# KiCad board AMC_FMC_Carrier-PcbDoc.kicad_pcb (continued)
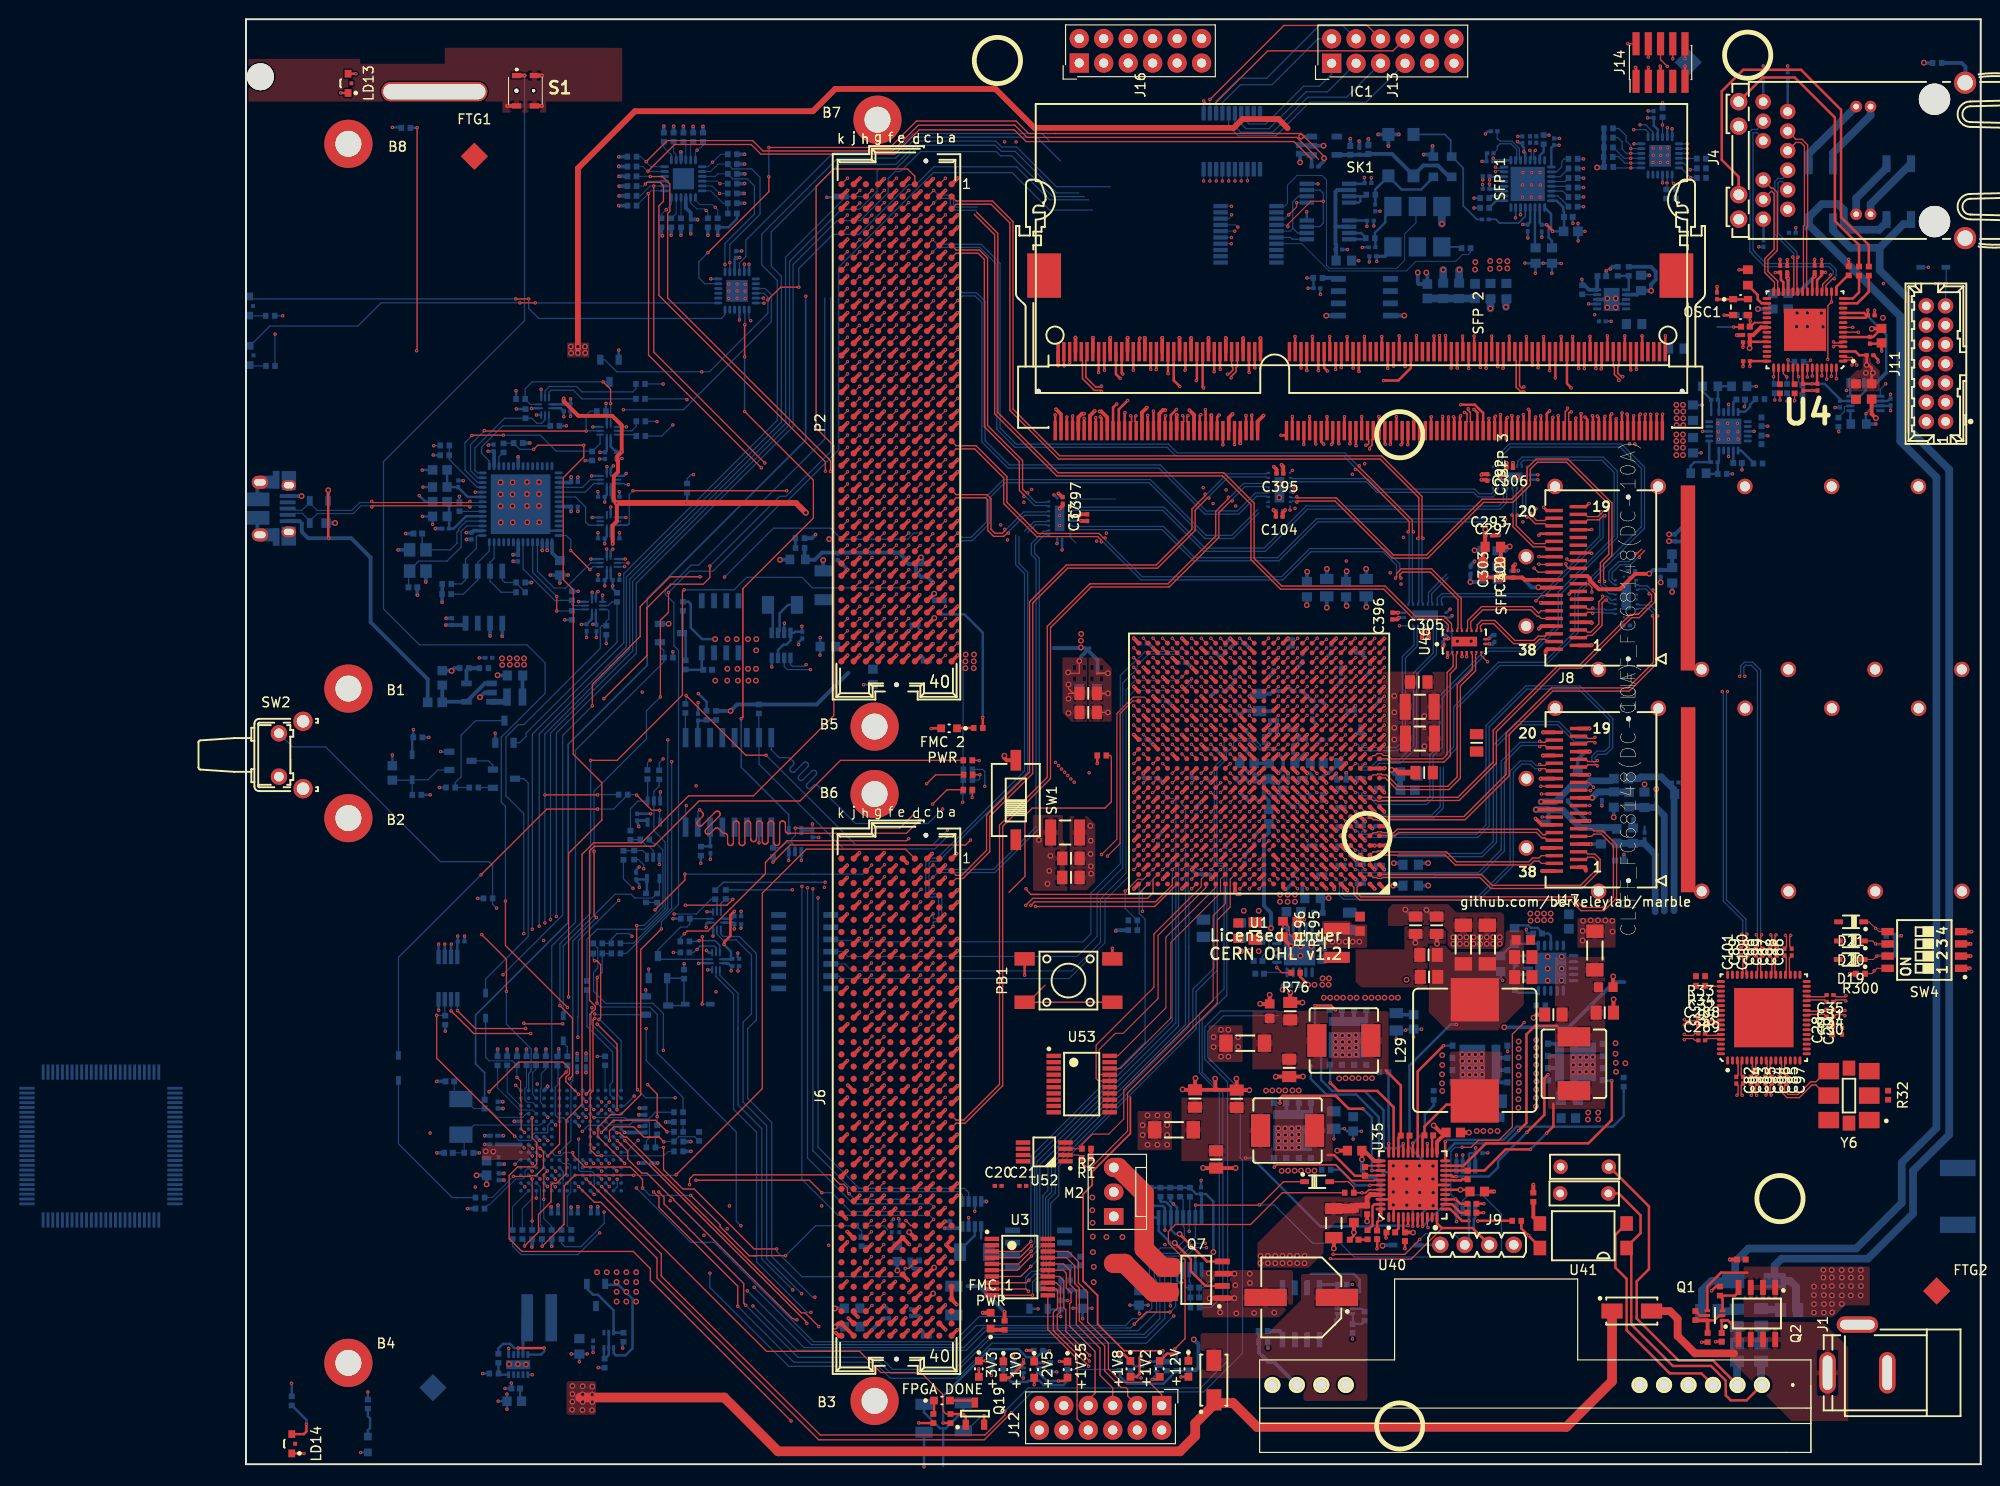
[diagram p0: board, top side]
## Routing (per net, layer and track width the routed paths; a pad name or vN(x,y) marks a point on that pad's centre or on a via; arc(x,y) is an arc through that point) (continued)
FMC1_LA_33_P: length 69.5
  Top w0.112: v1(66.2,19.03) 65.59,18.42 J6.G36
  Top w0.127: v1(109.13,60.75) 108.65,61.23 U1.B10
  In9.Cu w0.1: 73.27,17.16 74.58,18.47 74.58,34.9 85.03,45.34 97.97,45.34 102.7,50.07 104.76,50.07 107.23,52.53 107.23,53.9 108.45,55.12 108.45,56.37 109.75,57.67 109.75,60.14 109.48,60.41 109.18,60.41 109.13,60.46 v1(109.13,60.75)
FMC2_DP0_C2M_N: length 88.6
  Top w0.127: v1(71.35,130.93) 70.75,130.33 P2.C3
  Top w0.13: U46.18 125.17,86.67 125.09,86.76 125.09,87.25 124.32,88.01 121.35,88.01 118.2,91.16 107.48,91.16 104.61,94.04 104.61,99.78 101.46,102.92 84.27,102.92 78.01,109.18 78.01,127.77 75.81,129.98
  Bottom w0.13: 75.77,130.18 73.33,130.18 73.09,130.43 73.09,131.24 72.91,131.42 71.84,131.42 v1(71.35,130.93)
FMC2_DP0_C2M_P: length 88.4
  Top w0.127: P2.C2 70.72,131.6 v1(71.35,132.23)
  Top w0.13: U46.19 124.67,86.67 124.75,86.76 124.75,87.11 124.19,87.68 121.21,87.68 118.06,90.83 107.35,90.83 104.28,93.9 104.28,99.64 101.33,102.59 84.13,102.59 77.68,109.04 77.68,127.63 75.57,129.74
  Bottom w0.13: 75.91,130.51 73.47,130.51 73.42,130.56 73.42,131.38 73.05,131.75 71.84,131.75 v1(71.35,132.23)
FMC2_DP0_M2C_N: length 81.1
  Top w0.127: P2.C7 70.67,125.25 v1(71.25,125.83)
  Top w0.13: v1(115.12,103.28) 115.27,103.28 120.69,97.85 120.69,96.9 v1(120.59,96.79)
  Bottom w0.13: v1(71.25,125.83) 71.73,126.32 76.13,126.32 77.91,124.53 77.91,107.44 79.79,105.57 95.59,105.57 96.5,104.65 113.9,104.65 115.12,103.43 v1(115.12,103.28) ; U48.12 120.61,89.41 120.69,89.5 120.69,96.68 v1(120.59,96.79)
FMC2_DP0_M2C_P: length 81.7
  Top w0.127: v1(71.25,127.13) 70.67,126.55 P2.C6
  Top w0.13: v1(121.13,96.79) 121.03,96.9 121.03,97.99 115.51,103.51 v1(115.51,103.66)
  Bottom w0.13: U48.13 121.11,89.41 121.03,89.5 121.03,96.68 v1(121.13,96.79) ; v1(115.51,103.66) 115.35,103.66 114.04,104.98 96.64,104.98 95.72,105.9 79.92,105.9 78.24,107.58 78.24,124.67 76.27,126.65 71.73,126.65 v1(71.25,127.13)
FMC2_DP1_C2M_N: length 68.9
  Top w0.13: v1(88.75,95.76) 88.75,95.91 88.37,96.29 82.05,96.29 78.62,99.72 78.62,102.39 75.61,105.4 73.68,105.4 P2.A23 ; U46.16 126.17,86.67 126.09,86.76 126.09,89.88 123.03,92.94 119.87,92.94 119.39,92.46 119.39,92.1 v1(119.28,91.99)
  Bottom w0.13: v1(88.75,95.76) 88.91,95.76 92.87,91.8 107.58,91.8 110.5,94.72 117.99,94.72 119.39,93.32 119.39,92.1 v1(119.28,91.99)
FMC2_DP1_C2M_P: length 68.4
  Top w0.13: P2.A22 73.68,105.73 75.74,105.73 78.95,102.52 78.95,99.86 82.18,96.62 88.51,96.62 88.99,96.15 v1(89.14,96.15) ; v1(119.83,91.99) 119.72,92.1 119.72,92.33 120,92.61 122.89,92.61 125.75,89.75 125.75,86.76 125.67,86.67 U46.17
  Bottom w0.13: v1(119.83,91.99) 119.72,92.1 119.72,93.45 118.12,95.05 110.37,95.05 107.45,92.13 93,92.13 89.14,95.99 v1(89.14,96.15)
FMC2_DP1_M2C_N: length 83.9
  Top w0.13: v1(121.59,96.1) 121.69,96.21 121.69,100.33 117.68,104.35 84.31,104.35 79.26,109.4 79.26,128.85 77.31,130.8 73.68,130.8 P2.A3
  Bottom w0.13: U48.14 121.61,89.41 121.69,89.5 121.69,95.99 v1(121.59,96.1)
FMC2_DP1_M2C_P: length 84.5
  Top w0.13: P2.A2 73.68,131.13 77.45,131.13 79.59,128.99 79.59,109.53 84.44,104.68 117.82,104.68 122.03,100.47 122.03,96.21 v1(122.13,96.1)
  Bottom w0.13: v1(122.13,96.1) 122.03,95.99 122.03,89.5 122.11,89.41 U48.15
FMC2_DP2_C2M_N: length 14.9
  Top w0.13: P2.A27 73.68,100.32 76.75,100.32 76.97,100.1 76.97,96.92 77.58,96.32 78.63,96.32 78.97,96.66 v1(79.12,96.66)
  Bottom w0.13: U44.16 83.15,98.44 83.07,98.52 80.83,98.52 79.12,96.81 v1(79.12,96.66)
FMC2_DP2_C2M_P: length 14.9
  Top w0.13: v1(78.73,97.05) 78.73,96.89 78.49,96.65 77.71,96.65 77.3,97.06 77.3,100.24 76.89,100.65 73.68,100.65 P2.A26
  Bottom w0.13: U44.17 83.15,98.94 83.07,98.85 80.69,98.85 78.89,97.05 v1(78.73,97.05)
FMC2_DP2_M2C_N: length 33.2
  Top w0.13: P2.A7 73.68,125.72 75.96,125.72 76.62,125.07 76.62,107.69 80.25,104.06 80.25,101.09 80.73,100.61 v1(80.73,100.46)
  Bottom w0.13: U44.18 83.15,99.44 83.07,99.52 81.82,99.52 80.88,100.46 v1(80.73,100.46)
FMC2_DP2_M2C_P: length 33.2
  Top w0.13: P2.A6 73.68,126.05 76.1,126.05 76.95,125.2 76.95,107.83 80.58,104.2 80.58,101.23 80.96,100.85 v1(81.12,100.85)
  Bottom w0.13: U44.19 83.15,99.94 83.07,99.85 81.95,99.85 81.12,100.69 v1(81.12,100.85)
FMC2_DP3_C2M_N: length 40.2
  Top w0.112: P2.A31 v1(73.85,95.41)
  Bottom w0.13: v1(73.85,95.41) 74.32,95.88 75.36,95.88 77.17,97.69 77.17,100.33 78.73,101.88 93.71,101.88 99.5,96.09 102.43,96.09 105.09,98.76 ; 105.87,99.48 105.96,99.4 U45.12
FMC2_DP3_C2M_P: length 40
  Top w0.112: P2.A30 v1(73.85,96.68)
  Bottom w0.13: 104.96,99.09 102.29,96.42 99.63,96.42 93.84,102.21 78.59,102.21 76.84,100.47 76.84,97.82 75.23,96.21 74.32,96.21 v1(73.85,96.68) ; U45.13 105.96,99.9 105.87,99.81
FMC2_DP3_M2C_N: length 52
  Top w0.112: P2.A11 v1(73.85,120.81)
  Bottom w0.13: v1(73.85,120.81) 74.32,121.28 75.66,121.28 76.36,120.57 76.36,106.12 79.08,103.41 94.72,103.41 99.5,98.63 103.01,98.63 104.87,100.48 105.87,100.48 105.96,100.4 U45.14
FMC2_DP3_M2C_P: length 52
  Top w0.112: P2.A10 v1(73.85,122.08)
  Bottom w0.13: v1(73.85,122.08) 74.32,121.61 75.8,121.61 76.69,120.71 76.69,106.26 79.21,103.74 94.86,103.74 99.63,98.96 102.88,98.96 104.73,100.81 105.87,100.81 105.96,100.9 U45.15
FMC2_HA00_CC_N: length 76.9
  Top w0.11: U1.N22 v1(96.12,71.73)
  Top w0.112: P2.F5 v1(67.5,128.43)
  In4.Cu w0.1: v1(96.12,71.73) 96.47,72.09 96.47,81.89 96.28,82.09 95.83,82.09 95.47,82.44 95.47,89.98 90.63,94.82 90.63,96.19 86.68,100.13 86.68,104.75 80.53,110.91 80.53,125.26 76.87,128.92 67.99,128.92 v1(67.5,128.43)
FMC2_HA00_CC_P: length 77.4
  Top w0.11: U1.N21 97.12,71.73 v1(97.12,71.73)
  Top w0.112: P2.F4 v1(67.5,129.7)
  In4.Cu w0.1: v1(67.5,129.7) 67.99,129.21 76.99,129.21 80.82,125.38 80.82,111.03 86.97,104.87 86.97,100.25 90.92,96.31 90.92,94.94 95.76,90.1 95.76,82.56 95.95,82.38 96.4,82.38 96.76,82.01 96.76,72.09 v1(97.12,71.73)
FMC2_HA01_CC_N: length 81.9
  Top w0.11: v1(97.12,73.73) 97.12,73.73 U1.P21
  Top w0.112: P2.E3 v1(68.77,130.97)
  In4.Cu w0.1: v1(97.12,73.73) 97.47,74.09 98.38,74.09 98.76,74.47 98.76,81.8 98.28,82.28 97.86,82.28 96.76,83.38 96.76,91.46 92.1,96.12 92.1,96.97 88.14,100.93 88.14,106.39 86.48,108.05 86.48,109.31 82.95,112.84 82.95,126 75.89,133.05 68.41,133.05 67.99,132.64 67.99,131.74 v1(68.77,130.97)
FMC2_HA01_CC_P: length 80.1
  Top w0.11: v1(97.12,74.73) 97.12,74.73 U1.R21
  Top w0.112: P2.E2 v1(68.77,132.24)
  In4.Cu w0.1: v1(68.77,132.24) 68.77,131.82 68.69,131.75 68.58,131.75 68.28,132.04 68.28,132.52 68.53,132.76 75.77,132.76 82.66,125.88 82.66,112.81 86.24,109.22 86.24,107.87 87.85,106.26 87.85,100.81 91.81,96.85 91.81,96 96.47,91.34 96.47,83.26 97.74,81.99 98.16,81.99 98.47,81.68 98.47,74.59 98.26,74.38 97.47,74.38 v1(97.12,74.73)
FMC2_HA02_N: length 76.5
  Top w0.11: U1.U20 98.12,76.73 v1(98.11,76.73)
  Top w0.112: v1(62.4,124.58) 61.8,123.98 P2.K8
  In7.Cu w0.1: v1(62.4,124.58) 62.91,125.09 65.03,125.09 65.57,124.54 65.57,124.26 65.93,123.91 66.2,123.91 66.26,123.86 75.84,123.86 80.55,119.15 80.55,109.45 83.59,106.4 84.11,106.4 88.8,101.71 88.8,98 90.25,96.56 90.25,83.15 91,82.39 91,79.72 91.64,79.08 91.94,79.08 91.94,79.09 92.28,79.09 92.29,79.08 92.94,79.08 92.94,79.09 96.29,79.09 96.29,79.08 97.32,79.08 97.47,78.93 97.47,78.38 97.78,78.06 98.32,78.06 98.47,77.91 98.47,77.09 v1(98.11,76.73)
FMC2_HA02_P: length 77
  Top w0.11: U1.U19 v1(99.12,76.73)
  Top w0.112: v1(62.4,125.88) 61.78,125.26 P2.K7
  In7.Cu w0.1: v1(99.12,76.73) 98.76,77.09 98.76,78.03 98.44,78.35 97.9,78.35 97.76,78.5 97.76,79.05 97.44,79.37 96.41,79.37 96.41,79.38 92.82,79.38 92.82,79.37 92.41,79.37 92.4,79.38 91.82,79.38 91.82,79.37 91.76,79.37 91.29,79.84 91.29,82.51 90.54,83.27 90.54,96.68 89.09,98.12 89.09,101.83 84.23,106.69 83.71,106.69 80.84,109.57 80.84,119.27 75.96,124.15 66.38,124.15 66.33,124.2 66.05,124.2 65.86,124.38 65.86,124.66 65.15,125.38 62.91,125.38 v1(62.4,125.88)
FMC2_HA03_N: length 82.6
  Top w0.11: U1.T19 v1(99.12,75.73)
  Top w0.112: P2.J7 63.07,125.25 v1(63.7,125.88)
  In9.Cu w0.1: v1(63.7,125.88) 64.18,126.36 66.42,126.36 66.96,126.91 66.96,127.5 67.12,127.66 84.3,127.66 88.56,123.4 88.56,116.07 87.7,115.21 87.7,110.9 90.8,107.8 90.8,97.12 98.48,89.45 98.48,78.45 98.84,78.08 99.27,78.08 99.47,77.87 99.47,76.09 v1(99.12,75.73)
FMC2_HA03_P: length 83.1
  Top w0.11: U1.T18 v1(100.12,75.73)
  Top w0.112: P2.J6 63.09,126.52 v1(63.7,127.13)
  In9.Cu w0.1: v1(63.7,127.13) 64.18,126.65 66.3,126.65 66.67,127.03 66.67,127.62 67,127.95 84.42,127.95 88.85,123.52 88.85,115.95 87.99,115.09 87.99,111.02 91.09,107.92 91.09,97.24 98.77,89.57 98.77,78.57 98.96,78.37 99.39,78.37 99.76,77.99 99.76,76.09 v1(100.12,75.73)
FMC2_HA04_N: length 73.7
  Top w0.11: U1.R17 v1(101.12,74.73)
  Top w0.112: P2.F8 v1(67.5,124.62)
  In7.Cu w0.1: v1(67.5,124.62) 67.99,125.11 76.11,125.11 83.52,117.7 83.52,110.25 83.05,109.78 83.05,108.31 83.9,107.46 84.6,107.46 90.37,101.68 90.37,99.19 93.62,95.95 93.62,89.93 97.47,86.07 97.47,80.42 98.81,79.08 101.29,79.08 101.47,78.9 101.47,75.09 v1(101.12,74.73)
FMC2_HA04_P: length 74.2
  Top w0.11: U1.R16 v1(102.12,74.73)
  Top w0.112: P2.F7 v1(67.5,125.89)
  In7.Cu w0.1: v1(102.12,74.73) 101.76,75.09 101.76,79.02 101.41,79.37 98.93,79.37 97.76,80.54 97.76,86.19 93.91,90.05 93.91,96.07 90.66,99.31 90.66,101.8 84.72,107.75 84.02,107.75 83.34,108.43 83.34,109.66 83.81,110.13 83.81,117.82 76.23,125.4 67.99,125.4 v1(67.5,125.89)
FMC2_HA05_N: length 79.1
  Top w0.11: U1.N17 v1(102.12,72.73)
  Top w0.112: P2.E7 v1(68.77,125.89)
  In9.Cu w0.1: v1(68.77,125.89) 69.26,126.38 82.25,126.38 85.34,123.28 85.34,116.08 86.8,114.63 86.8,110.28 87.41,109.67 87.41,108.06 89.68,105.8 89.68,96.88 97.47,89.08 97.47,77.44 97.82,77.09 98.27,77.09 98.47,76.89 98.47,73.93 98.47,73.92 98.47,73.46 99.03,72.91 101.95,72.91 v1(102.12,72.73)
FMC2_HA05_P: length 79.1
  Top w0.11: U1.P16 v1(102.12,73.73)
  Top w0.112: P2.E6 v1(68.77,127.16)
  In9.Cu w0.1: v1(102.12,73.73) 101.76,73.38 98.97,73.38 98.76,73.59 98.76,77.01 98.39,77.38 97.94,77.38 97.76,77.56 97.76,89.2 89.97,97 89.97,105.92 87.7,108.18 87.7,109.7 87.09,110.31 87.09,114.75 85.63,116.2 85.63,123.4 82.37,126.67 69.26,126.67 v1(68.77,127.16)
FMC2_HA06_N: length 79.1
  Top w0.11: U1.P18 v1(100.12,73.73)
  Top w0.112: v1(62.4,120.78) 61.79,120.17 P2.K11
  In7.Cu w0.1: v1(100.12,73.73) 99.76,74.09 87.42,74.09 82.82,78.69 82.82,88.84 81.95,89.71 81.95,101.3 81.54,101.71 80.62,101.71 75.26,107.07 75.26,116.39 74.17,117.48 66.06,117.48 65.48,118.07 65.48,120.95 65.16,121.26 62.88,121.26 v1(62.4,120.78)
FMC2_HA06_P: length 79.1
  Top w0.11: U1.R18 v1(100.12,74.73)
  Top w0.112: P2.K10 61.81,121.44 v1(62.4,122.03)
  In7.Cu w0.1: v1(62.4,122.03) 62.88,121.55 65.28,121.55 65.77,121.07 65.77,118.19 66.18,117.77 74.29,117.77 75.55,116.51 75.55,107.19 80.74,102 81.66,102 82.24,101.42 82.24,89.83 83.11,88.96 83.11,78.81 87.54,74.38 99.76,74.38 v1(100.12,74.73)
FMC2_HA07_N: length 70.3
  Top w0.11: U1.T25 v1(93.12,75.73)
  Top w0.112: P2.J10 63.11,121.44 v1(63.7,122.03)
  In7.Cu w0.1: v1(93.12,75.73) 93.39,75.73 93.47,75.82 93.47,75.93 93.32,76.09 88.77,76.09 87.44,77.42 87.44,78.54 86.02,79.96 86.02,82.56 85.03,83.55 85.03,94.74 85.03,94.74 85.03,95.08 85.03,95.08 85.03,101.1 82.62,103.5 81.92,103.5 77.47,107.95 77.47,117.21 74.61,120.07 67.23,120.07 66.78,120.52 66.78,122.22 66.47,122.54 64.2,122.54 v1(63.7,122.03)
FMC2_HA07_P: length 70.8
  Top w0.11: U1.T24 v1(94.12,75.73)
  Top w0.112: v1(63.7,123.33) 63.08,122.71 P2.J9
  In7.Cu w0.1: v1(63.7,123.33) 64.2,122.83 66.59,122.83 67.07,122.34 67.07,120.64 67.35,120.36 74.73,120.36 77.76,117.33 77.76,108.07 82.04,103.79 82.74,103.79 85.32,101.22 85.32,95.2 85.32,95.2 85.32,94.62 85.32,94.62 85.32,83.67 86.31,82.68 86.31,80.08 87.73,78.66 87.73,77.54 88.89,76.38 93.44,76.38 93.76,76.05 93.76,75.8 93.83,75.73 v1(94.12,75.73)
FMC2_HA08_N: length 67.6
  Top w0.11: U1.T23 v1(95.12,75.73)
  Top w0.112: P2.F11 v1(67.5,120.81)
  In7.Cu w0.1: v1(95.12,75.73) 95.47,76.09 95.47,76.9 95.28,77.1 89.13,77.1 88.45,77.77 88.45,79.19 87.4,80.25 87.4,92.58 85.74,94.25 85.74,101.88 83.24,104.37 82.56,104.37 78.45,108.48 78.45,117.94 75.09,121.3 67.99,121.3 v1(67.5,120.81)
FMC2_HA08_P: length 68
  Top w0.11: U1.T22 v1(96.12,75.73)
  Top w0.112: P2.F10 v1(67.5,122.08)
  In7.Cu w0.1: v1(67.5,122.08) 67.99,121.59 75.21,121.59 78.74,118.06 78.74,108.61 82.68,104.66 83.36,104.66 86.03,102 86.03,94.37 87.69,92.7 87.69,80.37 88.74,79.31 88.74,77.89 89.25,77.39 95.4,77.39 95.76,77.02 95.76,76.09 v1(96.12,75.73)
FMC2_HA09_N: length 71.7
  Top w0.11: U1.T17 v1(101.12,75.73)
  Top w0.112: P2.E10 v1(68.77,122.08)
  In7.Cu w0.1: v1(68.77,122.08) 69.26,122.57 75.49,122.57 79.48,118.58 79.48,108.85 83.02,105.31 83.75,105.31 87.34,101.72 87.34,94.54 88.39,93.48 88.39,81.97 90.11,80.25 90.11,78.93 90.96,78.09 96.26,78.09 96.47,77.88 96.47,76.59 96.98,76.09 100.76,76.09 v1(101.12,75.73)
FMC2_HA09_P: length 71.7
  Top w0.11: U1.U17 v1(101.12,76.73)
  Top w0.112: P2.E9 v1(68.77,123.35)
  In7.Cu w0.1: v1(68.77,123.35) 69.26,122.86 75.61,122.86 79.77,118.7 79.77,108.97 83.14,105.6 83.87,105.6 87.63,101.84 87.63,94.66 88.68,93.6 88.68,82.09 90.4,80.37 90.4,79.05 91.08,78.38 96.38,78.38 96.76,78 96.76,76.71 97.1,76.38 100.76,76.38 v1(101.12,76.73)
FMC2_HA10_N: length 74
  Top w0.11: v1(92.15,68.73) 92.15,68.76 U1.K26
  Top w0.112: P2.K14 v1(62.42,117)
  In7.Cu w0.1: v1(92.15,68.73) 92.44,68.73 92.49,68.78 92.49,68.89 92.31,69.08 85.01,69.08 80.57,73.52 80.57,74.58 78.22,76.93 78.22,85.66 76.41,87.46 76.41,97.97 73.41,100.98 63.4,100.98 62.92,101.46 62.92,117.47 62.9,117.49 62.47,117.49 62.42,117.44 v1(62.42,117)
FMC2_HA10_P: length 74.5
  Top w0.11: U1.K25 93.14,68.75 v1(93.14,68.73)
  Top w0.112: P2.K13 v1(62.42,118.27)
  In7.Cu w0.1: v1(62.42,118.27) 62.42,117.81 62.45,117.78 63.02,117.78 63.21,117.59 63.21,101.58 63.52,101.27 73.53,101.27 76.7,98.09 76.7,87.58 78.51,85.78 78.51,77.05 80.86,74.7 80.86,73.64 85.13,69.37 92.43,69.37 92.79,69.01 92.79,68.8 92.86,68.73 v1(93.14,68.73)
FMC2_HA11_N: length 76.4
  Top w0.11: U1.M19 v1(99.12,70.73)
  Top w0.112: P2.J13 63.05,117.63 v1(63.65,118.23)
  In9.Cu w0.1: v1(99.12,70.73) 99.48,71.09 99.48,72.08 99.27,72.28 98.36,72.28 97.47,73.18 97.47,76.21 96.59,77.09 94.24,77.09 94.23,77.1 93.83,77.1 93.48,77.45 93.48,78.95 93.32,79.11 91.58,79.11 89.73,80.96 89.21,80.96 87.67,82.5 87.67,83.24 86.94,83.97 86.25,83.97 82.91,87.31 82.91,101.94 81.48,103.36 81.48,109.38 80.63,110.23 80.63,115.08 76.98,118.74 64.16,118.74 v1(63.65,118.23)
FMC2_HA11_P: length 76.5
  Top w0.11: U1.N18 v1(100.12,71.73)
  Top w0.112: v1(63.65,119.53) 63.05,118.93 P2.J12
  In9.Cu w0.1: v1(100.12,71.73) 99.86,71.47 99.8,71.47 99.77,71.5 99.77,72.2 99.39,72.57 98.48,72.57 97.76,73.3 97.76,76.33 96.71,77.38 94.36,77.38 94.35,77.39 93.95,77.39 93.77,77.57 93.77,79.07 93.44,79.4 91.7,79.4 89.85,81.25 89.33,81.25 87.96,82.62 87.96,83.36 87.06,84.26 86.37,84.26 83.2,87.43 83.2,102.06 81.77,103.48 81.77,109.5 80.92,110.35 80.92,115.2 77.1,119.03 64.16,119.03 v1(63.65,119.53)
FMC2_HA12_N: length 71
  Top w0.11: 94.58,70.21 94.08,69.72
  Top w0.112: P2.F14 v1(67.5,117)
  In9.Cu w0.1: v1(94.08,69.72) 94.08,69.99 94.02,70.05 93.68,70.05 93.47,70.26 93.47,70.9 93.46,70.91 93.46,70.96 93.89,71.39 95.06,71.39 95.47,71.81 95.47,75.93 95.32,76.09 92.83,76.09 92.48,76.44 92.48,77.88 92.27,78.09 90.68,78.09 90,78.77 89.17,78.77 88.07,79.87 88.07,80.45 81.54,86.99 81.54,97.98 79.45,100.07 79.45,114.13 76.09,117.49 67.99,117.49 v1(67.5,117)
FMC2_HA12_P: length 71.1
  Top w0.11: v1(94.12,70.71) 94.58,71.17 94.58,71.21
  Top w0.112: P2.F13 v1(67.5,118.27)
  In9.Cu w0.1: v1(94.12,70.71) 94.12,70.41 94.05,70.34 93.86,70.34 93.76,70.44 93.76,70.85 94.01,71.1 95.18,71.1 95.76,71.69 95.76,76.05 95.44,76.38 92.95,76.38 92.77,76.56 92.77,78 92.39,78.38 90.8,78.38 90.12,79.06 89.29,79.06 88.36,79.99 88.36,80.57 81.83,87.11 81.83,98.1 79.74,100.19 79.74,114.25 76.21,117.78 67.99,117.78 v1(67.5,118.27)
FMC2_HA13_N: length 67.7
  Top w0.11: U1.R20 98.12,74.73 v1(98.11,74.73)
  Top w0.112: P2.E13 v1(68.77,118.27)
  In7.Cu w0.1: v1(98.11,74.73) 97.76,75.09 88.33,75.09 86.25,77.17 86.25,77.9 85.63,78.52 84.83,78.52 83.96,79.4 83.96,93.59 82.85,94.69 82.85,101.79 81.97,102.68 81.27,102.68 76.34,107.62 76.34,116.91 74.49,118.76 69.26,118.76 v1(68.77,118.27)
FMC2_HA13_P: length 67.7
  Top w0.11: v1(98.11,75.73) 98.12,75.73 U1.T20
  Top w0.112: P2.E12 v1(68.77,119.54)
  In7.Cu w0.1: v1(98.11,75.73) 97.76,75.38 88.45,75.38 86.54,77.29 86.54,78.02 85.75,78.81 84.95,78.81 84.25,79.52 84.25,93.71 83.14,94.81 83.14,101.91 82.09,102.97 81.39,102.97 76.63,107.74 76.63,117.03 74.61,119.05 69.26,119.05 v1(68.77,119.54)
FMC2_HA14_N: length 72.9
  Top w0.11: 98.61,73.26 98.59,73.26 v1(98.12,73.73)
  Top w0.112: P2.J16 v1(63.69,114.46)
  In2.Cu w0.1: v1(63.69,114.46) 63.69,114.86 63.78,114.95 64.14,114.95 64.26,114.82 64.26,109.01 64.64,108.63 74.52,108.63 76.4,106.75 76.4,88.17 78.33,86.24 78.33,78.88 83.12,74.08 92,74.08 92,74.09 92.34,74.09 92.35,74.08 98.29,74.08 98.48,73.89 98.48,73.8 98.41,73.73 v1(98.12,73.73)
FMC2_HA14_P: length 73.4
  Top w0.11: v1(99.11,73.76) 99.6,73.26 99.61,73.26
  Top w0.112: P2.J15 v1(63.69,115.73)
  In2.Cu w0.1: v1(99.11,73.76) 98.84,73.76 98.77,73.82 98.77,74.01 98.41,74.37 92.47,74.37 92.46,74.38 91.88,74.38 91.88,74.37 83.24,74.37 78.62,79 78.62,86.36 76.69,88.29 76.69,106.87 74.64,108.92 64.76,108.92 64.55,109.13 64.55,114.94 64.26,115.24 63.77,115.24 63.69,115.32 v1(63.69,115.73)
FMC2_HA15_N: length 58.5
  Top w0.11: U1.P25 v1(93.12,73.73)
  Top w0.112: P2.F17 v1(67.5,113.19)
  In9.Cu w0.1: v1(67.5,113.19) 67.99,113.68 74.72,113.68 77.13,111.26 77.13,86.39 84.9,78.63 85.37,78.63 89.91,74.09 92.01,74.09 92.01,74.09 92.76,74.09 v1(93.12,73.73)
FMC2_HA15_P: length 58.5
  Top w0.11: U1.R25 v1(93.12,74.73)
  Top w0.112: P2.F16 v1(67.5,114.46)
  In9.Cu w0.1: v1(93.12,74.73) 92.76,74.38 90.03,74.38 85.49,78.92 85.02,78.92 77.42,86.51 77.42,111.38 74.84,113.97 67.99,113.97 v1(67.5,114.46)
FMC2_HA16_N: length 59.1
  Top w0.11: U1.P26 92.13,72.74 v1(92.13,72.74)
  Top w0.112: P2.E16 v1(68.77,114.46)
  In7.Cu w0.1: v1(92.13,72.74) 91.8,73.07 88.51,73.07 88.49,73.09 88.15,73.09 88.14,73.07 86.98,73.07 81.72,78.33 81.72,87.94 81.07,88.6 81.07,97.74 79.4,99.4 79.4,101.18 74.29,106.29 74.29,112.08 73.92,112.45 70.9,112.45 70.57,112.78 70.57,114.6 70.22,114.95 69.26,114.95 v1(68.77,114.46)
FMC2_HA16_P: length 59.2
  Top w0.11: v1(92.17,73.74) 92.17,73.78 U1.R26
  Top w0.112: P2.E15 v1(68.77,115.73)
  In7.Cu w0.1: v1(92.17,73.74) 91.8,73.36 88.63,73.36 88.61,73.38 88.03,73.38 88.02,73.36 87.1,73.36 82.01,78.45 82.01,88.06 81.36,88.72 81.36,97.86 79.69,99.52 79.69,101.31 74.58,106.41 74.58,112.2 74.04,112.74 71.02,112.74 70.86,112.9 70.86,114.72 70.34,115.24 69.26,115.24 v1(68.77,115.73)
FMC2_HA17_CC_N: length 63.5
  Top w0.11: U1.R23 v1(95.12,74.73)
  Top w0.112: P2.K17 v1(62.42,113.19)
  In4.Cu w0.1: v1(95.12,74.73) 95.47,75.09 95.47,80.9 95.29,81.08 92.8,81.08 92.47,81.42 92.47,85.58 92.47,85.58 92.47,85.92 92.47,85.93 92.47,89.48 84.95,96.99 84.95,101.03 81.08,104.9 81.08,107.67 75.07,113.68 62.91,113.68 v1(62.42,113.19)
FMC2_HA17_CC_P: length 63.9
  Top w0.11: U1.R22 v1(96.12,74.73)
  Top w0.112: P2.K16 v1(62.42,114.46)
  In4.Cu w0.1: v1(62.42,114.46) 62.91,113.97 75.19,113.97 81.37,107.79 81.37,105.02 85.24,101.15 85.24,97.11 92.76,89.6 92.76,86.05 92.76,86.04 92.76,85.46 92.76,85.46 92.76,81.54 92.92,81.37 95.41,81.37 95.76,81.02 95.76,75.09 v1(96.12,74.73)
FMC2_HA18_N: length 68.3
  Top w0.11: 96.62,71.24 v1(96.12,70.74)
  Top w0.112: P2.J19 v1(63.69,110.65)
  In4.Cu w0.1: v1(96.12,70.74) 96.37,70.74 96.48,70.85 96.48,70.91 96.29,71.09 91.77,71.09 91.36,71.5 91.36,75.46 89.67,77.15 82.84,77.15 82.36,77.64 82.36,90.8 76.83,96.32 76.83,107.07 74.02,109.87 65.86,109.87 65.47,110.26 65.47,110.74 65.08,111.14 64.18,111.14 v1(63.69,110.65)
FMC2_HA18_P: length 68.8
  Top w0.11: 97.62,71.24 v1(97.12,70.74)
  Top w0.112: P2.J18 v1(63.69,111.92)
  In4.Cu w0.1: v1(63.69,111.92) 64.18,111.43 65.2,111.43 65.76,110.86 65.76,110.38 65.98,110.16 74.14,110.16 77.12,107.19 77.12,96.44 82.65,90.92 82.65,77.76 82.96,77.44 89.79,77.44 91.65,75.58 91.65,71.62 91.89,71.38 96.41,71.38 96.77,71.02 96.77,70.81 96.84,70.74 v1(97.12,70.74)
FMC2_HA19_N: length 65.3
  Top w0.11: U1.M20 v1(98.12,70.73)
  Top w0.112: P2.F20 v1(67.5,109.38)
  In7.Cu w0.1: v1(67.5,109.38) 67.99,109.87 72.88,109.87 73.07,109.67 73.07,104.08 73.55,103.6 75.28,103.6 78.29,100.59 78.29,98.71 79.95,97.05 79.95,96.26 79.53,95.84 79.53,87.98 80.47,87.04 80.47,77.91 82.51,75.87 82.51,74.83 86.25,71.09 93.93,71.09 93.94,71.1 94.28,71.1 94.29,71.09 98.29,71.09 98.29,71.09 98.29,70.91 v1(98.12,70.73)
FMC2_HA19_P: length 65.9
  Top w0.11: U1.N19 v1(99.12,71.73)
  Top w0.112: P2.F19 v1(67.5,110.65)
  In7.Cu w0.1: v1(99.12,71.73) 98.77,71.38 86.37,71.38 82.8,74.95 82.8,75.99 80.76,78.03 80.76,87.16 79.82,88.1 79.82,95.72 80.24,96.14 80.24,97.18 78.58,98.83 78.58,100.71 75.4,103.89 73.67,103.89 73.36,104.2 73.36,109.79 73,110.16 67.99,110.16 v1(67.5,110.65)
FMC2_HA20_N: length 58.2
  Top w0.11: U1.N23 v1(95.12,72.73)
  Top w0.112: P2.E19 v1(68.77,110.65)
  In9.Cu w0.1: v1(95.12,72.73) 94.76,73.09 92.3,73.09 92.3,73.09 91.96,73.09 91.95,73.09 88.96,73.09 75.88,86.16 75.88,110.23 74.97,111.14 69.26,111.14 v1(68.77,110.65)
FMC2_HA20_P: length 58.2
  Top w0.11: U1.P23 v1(95.12,73.73)
  Top w0.112: P2.E18 v1(68.77,111.92)
  In9.Cu w0.1: v1(95.12,73.73) 94.76,73.38 92.42,73.38 92.42,73.38 91.84,73.38 91.83,73.38 89.08,73.38 76.17,86.28 76.17,110.35 75.09,111.43 69.26,111.43 v1(68.77,111.92)
FMC2_HA21_N: length 63.4
  Top w0.11: 94.62,72.25 94.13,71.75
  Top w0.112: P2.K20 v1(62.42,109.38)
  In9.Cu w0.1: v1(94.12,71.75) 93.77,72.1 90.18,72.1 90.08,71.99 88.13,71.99 87.68,72.44 87.68,72.69 74.63,85.74 74.63,94.97 74.67,95.01 74.67,97.07 74.63,97.11 74.63,109.44 74.21,109.87 62.91,109.87 v1(62.42,109.38)
FMC2_HA21_P: length 63.5
  Top w0.11: v1(94.12,72.73) 94.62,73.23 94.62,73.25
  Top w0.112: P2.K19 v1(62.42,110.65)
  In9.Cu w0.1: v1(62.42,110.65) 62.91,110.16 74.33,110.16 74.92,109.56 74.92,97.23 74.96,97.19 74.96,94.89 74.92,94.85 74.92,85.86 87.97,72.81 87.97,72.56 88.25,72.28 89.96,72.28 90.06,72.39 93.77,72.39 v1(94.12,72.73)
FMC2_HA22_N: length 59.5
  Top w0.11: 92.61,71.21 v1(92.13,70.73) ; U1.M26 92.62,71.22
  Top w0.112: P2.J22 v1(63.69,106.84)
  In9.Cu w0.1: v1(92.13,70.73) 91.78,71.08 86.65,71.08 76.78,80.95 73.85,80.95 71.81,82.99 71.81,87.53 71.9,87.62 71.9,90.59 71.81,90.68 71.81,106.98 71.47,107.33 64.18,107.33 v1(63.69,106.84)
FMC2_HA22_P: length 59.5
  Top w0.11: 92.62,72.21 v1(92.15,71.75) ; U1.N26 92.61,72.23
  Top w0.112: P2.J21 v1(63.69,108.11)
  In9.Cu w0.1: v1(92.15,71.75) 91.78,71.37 86.77,71.37 76.9,81.24 73.97,81.24 72.1,83.11 72.1,87.41 72.19,87.5 72.19,90.71 72.1,90.8 72.1,107.1 71.59,107.62 64.18,107.62 v1(63.69,108.11)
FMC2_HA23_N: length 61.7
  Top w0.11: U1.L25 93.12,69.73 v1(93.12,69.73)
  Top w0.112: P2.K23 v1(62.42,105.57)
  In9.Cu w0.1: v1(62.42,105.57) 62.91,106.06 70.42,106.06 70.57,105.9 70.57,81.73 73.01,79.29 76.03,79.29 85.23,70.09 92.76,70.09 v1(93.12,69.73)
FMC2_HA23_P: length 61.7
  Top w0.11: U1.M25 93.62,71.23 v1(93.12,70.73)
  Top w0.112: P2.K22 v1(62.42,106.84)
  In9.Cu w0.1: v1(62.42,106.84) 62.91,106.35 70.54,106.35 70.86,106.02 70.86,81.85 73.13,79.58 76.15,79.58 85.35,70.38 92.76,70.38 v1(93.12,70.73)
FMC2_HB00_CC_N: length 0.9
  Top w0.112: P2.K26 v1(62.42,101.76)
FMC2_HB00_CC_P: length 0.9
  Top w0.112: P2.K25 v1(62.42,103.03)
FMC2_HB01_N: length 0.9
  Top w0.112: P2.J25 v1(63.69,103.03)
FMC2_HB01_P: length 0.9
  Top w0.112: P2.J24 v1(63.69,104.3)
FMC2_HB02_N: length 0.9
  Top w0.112: P2.F23 v1(67.5,105.57)
FMC2_HB02_P: length 0.9
  Top w0.112: P2.F22 v1(67.5,106.84)
FMC2_HB03_N: length 0.9
  Top w0.112: P2.E22 v1(68.77,106.84)
FMC2_HB03_P: length 0.9
  Top w0.112: P2.E21 v1(68.77,108.11)
FMC2_HB04_N: length 0.9
  Top w0.112: P2.F26 v1(67.5,101.76)
FMC2_HB04_P: length 0.9
  Top w0.112: P2.F25 v1(67.5,103.03)
FMC2_HB05_N: length 0.9
  Top w0.112: P2.E25 v1(68.77,103.03)
FMC2_HB05_P: length 0.9
  Top w0.112: P2.E24 v1(68.77,104.3)
FMC2_HB06_CC_N: length 0.9
  Top w0.112: P2.K29 v1(62.42,97.95)
FMC2_HB06_CC_P: length 0.9
  Top w0.112: P2.K28 v1(62.42,99.22)
FMC2_HB07_N: length 0.9
  Top w0.112: P2.J28 v1(63.69,99.22)
FMC2_HB07_P: length 0.9
  Top w0.112: P2.J27 v1(63.69,100.49)
FMC2_HB08_N: length 0.9
  Top w0.112: P2.F29 v1(67.5,97.95)
FMC2_HB08_P: length 0.9
  Top w0.112: P2.F28 v1(67.5,99.22)
FMC2_HB09_N: length 0.9
  Top w0.112: P2.E28 v1(68.77,99.22)
FMC2_HB09_P: length 0.9
  Top w0.112: P2.E27 v1(68.77,100.49)
FMC2_HB10_N: length 0.9
  Top w0.112: P2.K32 v1(62.42,94.14)
FMC2_HB10_P: length 0.9
  Top w0.112: P2.K31 v1(62.42,95.41)
FMC2_HB11_N: length 0.9
  Top w0.112: P2.J31 v1(63.69,95.41)
FMC2_HB11_P: length 0.9
  Top w0.112: P2.J30 v1(63.69,96.68)
FMC2_HB12_N: length 0.9
  Top w0.112: P2.F32 v1(67.5,94.14)
